# Altium PCB PCB - v3.PcbDoc (part 1 of 2) (continued)
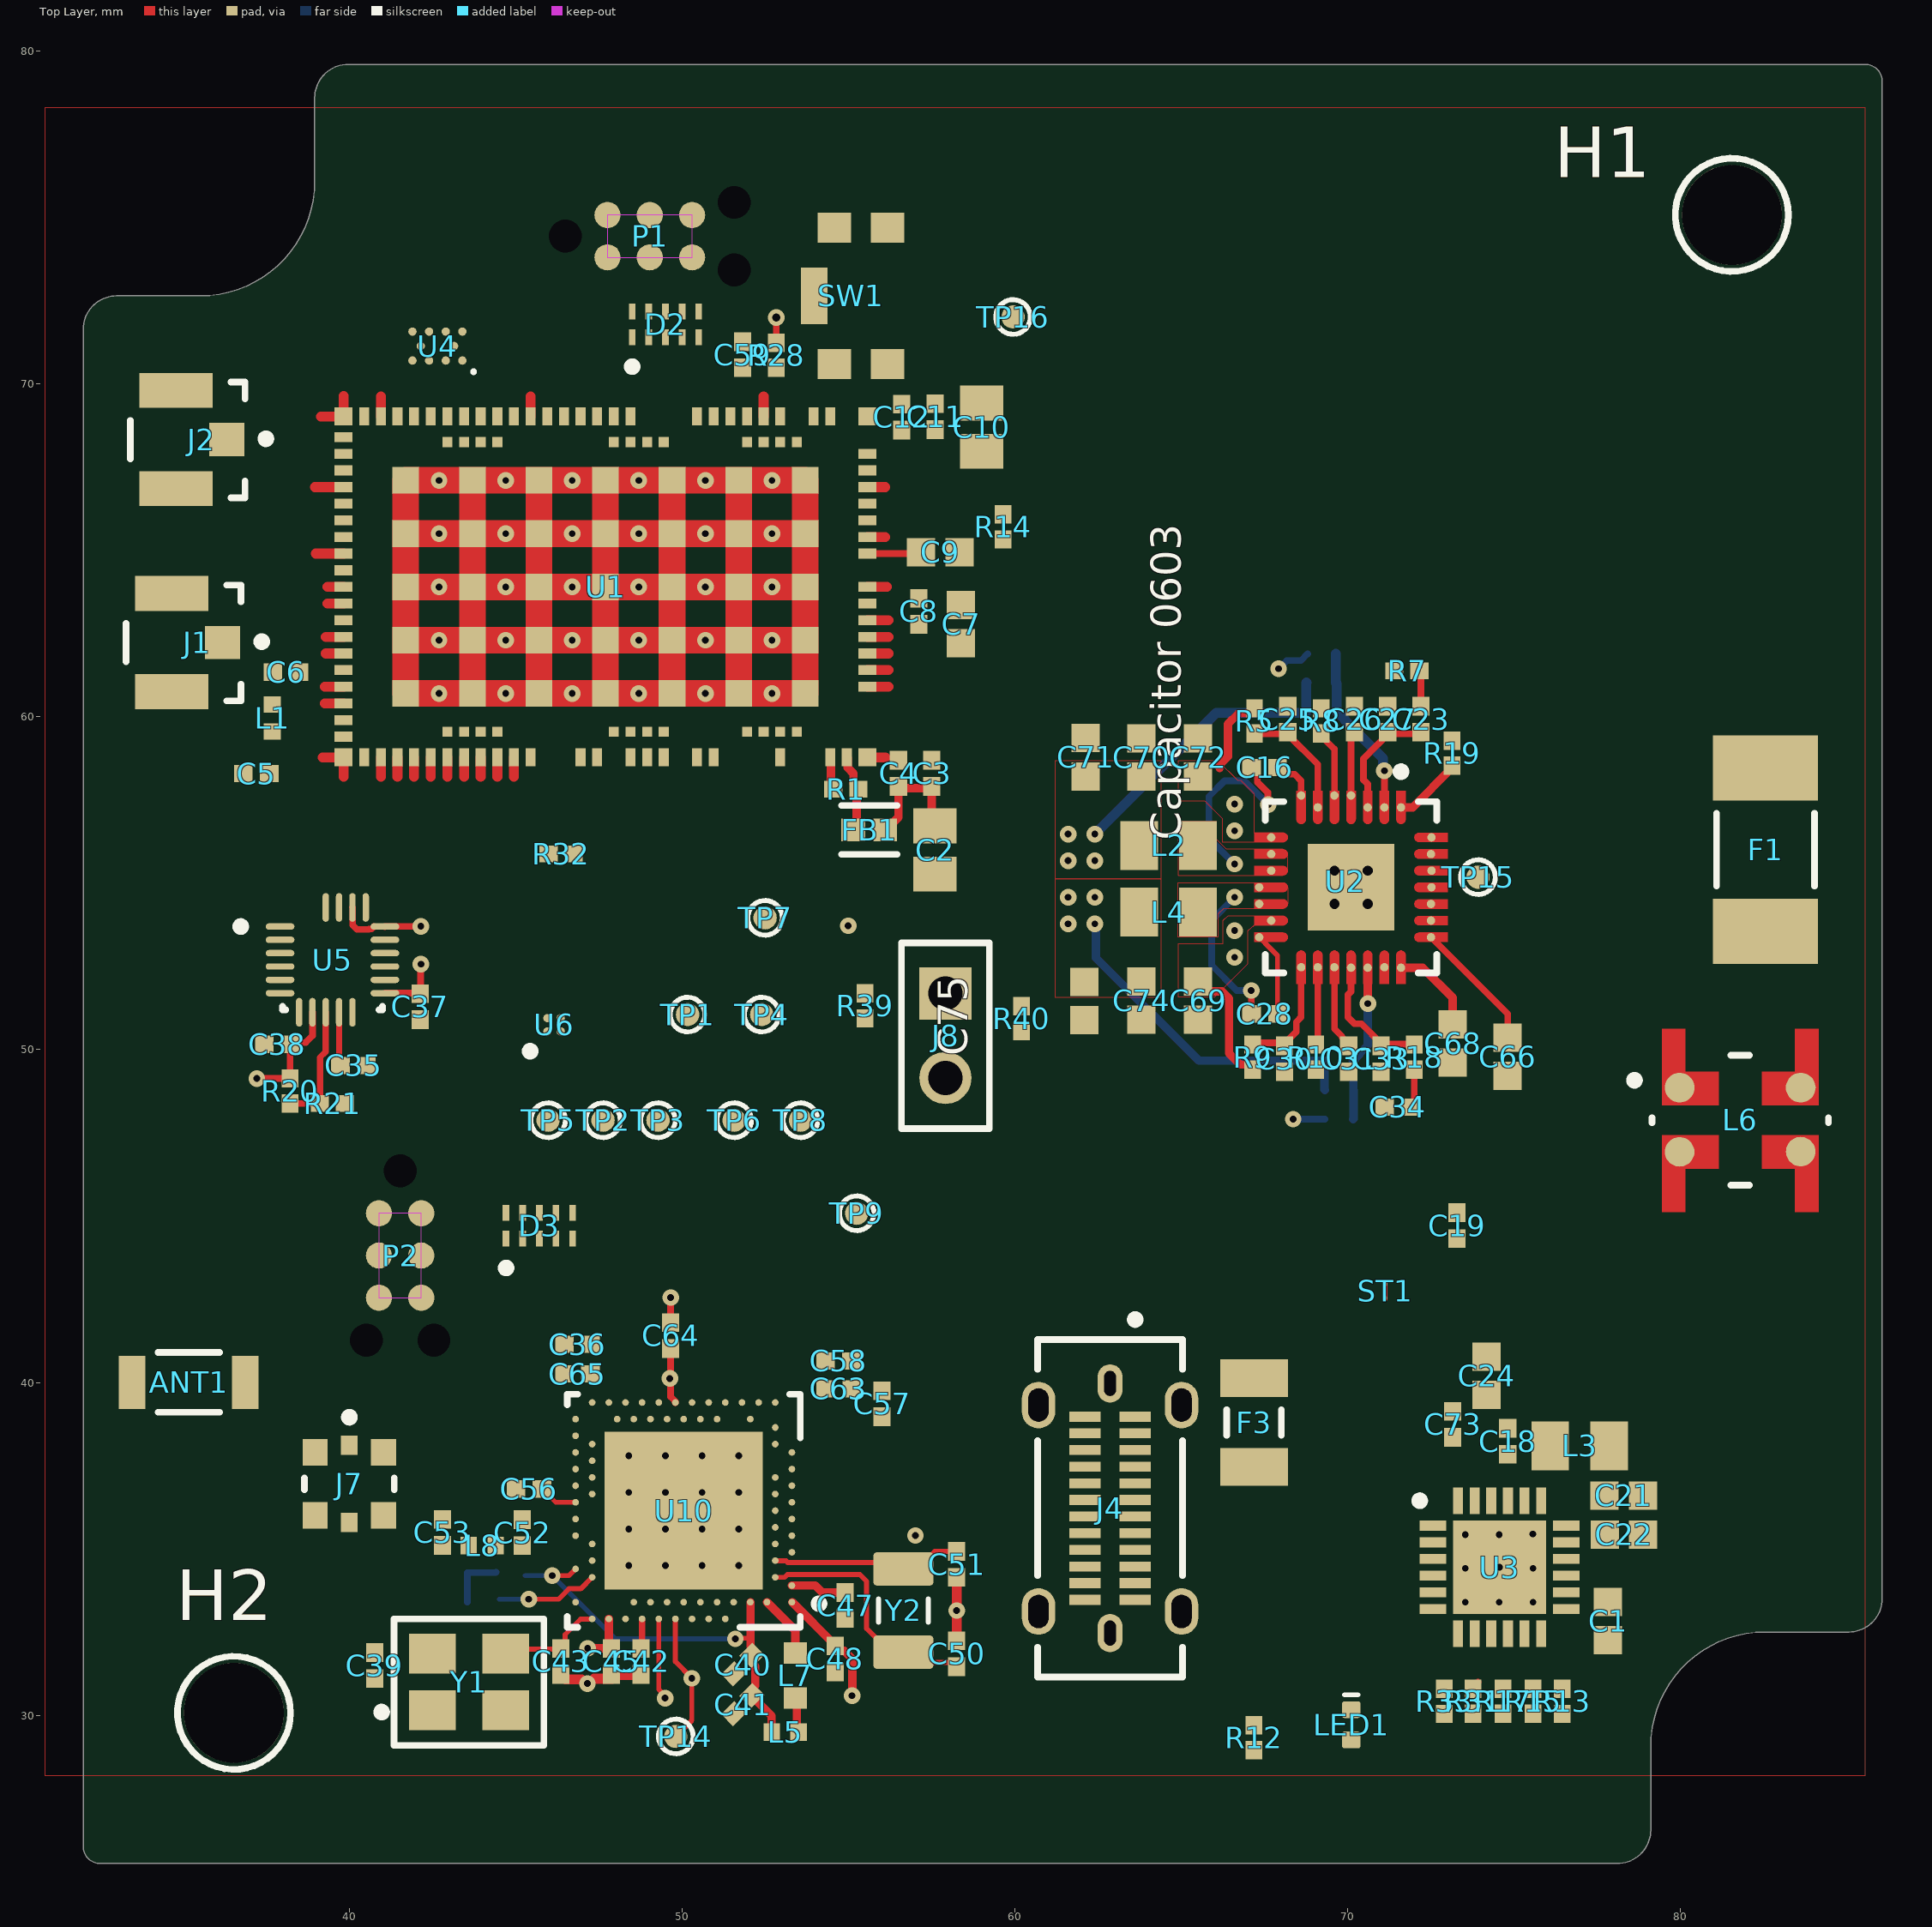
[diagram p0: Top Layer view]
## Classes and differential pairs
net class USB: D_BM_N D_BM_P D_MCU_N D_MCU_P D_N D_P
differential pair class USB: D D_BM D_DS D_MCU
net class RF: BLE_ANT GPS_RF1 GPS_RF2 LTE_RF
net class "High Power": NetF2_1 NetF2_2
component class Sensors: C14 C35 C36 C37 C38 D1 F2 J3 Q2 Q3 R20 R21 R22 R23 R24 R29 R30 U4 U5 U6
component class Power: C1 C13 C15 C16 C17 C18 C19 C21 C22 C23 C24 C25 C26 C27 C28 C29 C30 C31 C32 C33 C34 C66 C67 C68 C69 C70 C71 C72 C73 C74 C75 F1 L2 L3 L4 L6 LED1 Q1 R3 R4 R5 R6 R7 R8 R9 R10 R11 R12 R13 R14 R15 R16 R17 R18 R19 R27 R31 R33 ST1 TP14 TP15 TP16 U2 U3
component class Connectors: C20 D2 D3 F3 H1 H2 J4 J5 J6 P1 P2 R25 R26 U7 U8
component class 52840: ANT1 C39 C40 C41 C42 C43 C45 C46 C47 C48 C49 C50 C51 C52 C53 C54 C55 C56 C57 C58 C60 C63 C64 C65 J7 J9 L5 L7 L8 L9 R34 R35 R36 SW2 U10 Y1 Y2
component class 9160: C2 C3 C4 C5 C6 C7 C8 C9 C10 C11 C12 C59 FB1 J1 J2 J8 L1 R1 R2 R28 R32 R39 R40 SW1 TP1 TP2 TP3 TP4 TP5 TP6 TP7 TP8 TP9 U1
differential pair D_MCU: +D_MCU_P -D_MCU_N
differential pair D_BM: +D_BM_P -D_BM_N
differential pair D: +D_P -D_N

## Components (designator, comment, footprint, x,y, rotation, side; value= is the part's Value field where it differs from the comment)
ANT1 "AMCA31-2R450G-S1F-T3" FP-AMCA31-MFG 35.179,40.005 r180 top
C1 "Capacitor 0603" "CAPC1608X90X40LL10T20 HD" 77.817,32.831 r90 top value=?F
C2 "Capacitor 0805" "CAPC2013X95X50LL10T25 HD" 57.6,56 r90 top value=?F
C3 "Capacitor 0402" "CAPC1005X55X25LL05T10 HD" 57.5,58.3 r270 top value=?F
C4 "Capacitor 0402" "CAPC1005X55X25LL05T10 HD" 56.5,58.3 r270 top value=?F
C5 "Capacitor 0402" "CAPC1005X55X25LL05T10 HD" 37.211,58.293 r180 top value=?F
C6 "Capacitor 0402" "CAPC1005X55X25LL05T10 HD" 38.1,61.341 r0 top value=?F
C7 "Capacitor 0603" "CAPC1608X90X40LL10T20 HD" 58.381,62.784 r90 top value=?F
C8 "Capacitor 0402" "CAPC1005X55X25LL05T10 HD" 57.111,63.165 r90 top value=?F
C9 "Capacitor 0603" "CAPC1608X90X40LL10T20 HD" 57.756,64.943 r180 top value=?F
C10 "Capacitor 0805" "CAPC2013X95X50LL10T25 HD" 59,68.7 r90 top value=?F
C11 "Capacitor 0402" "CAPC1005X55X25LL05T10 HD" 57.603,69.013 r90 top value=?F
C12 "Capacitor 0402" "CAPC1005X55X25LL05T10 HD" 56.6,69 r90 top value=?F
C13 "Capacitor 0805" "CAPC2013X95X50LL10T25 HD" 82.931,39.116 r270 bottom value=?F
C14 "Capacitor 0603" "CAPC1608X90X40LL10T20 HD" 72.517,66.929 r90 bottom value=?F
C15 "Capacitor 0603" "CAPC1608X90X40LL10T20 HD" 81.915,36.643 r270 bottom value=?F
C16 "Capacitor 0402" "CAPC1005X55X25LL05T10 HD" 67.499,58.476 r180 top value=?F
C17 "Capacitor 0402" "CAPC1005X55X25LL05T10 HD" 69.199,61.025 r180 bottom value=?F
C18 "Capacitor 0402" "CAPC1005X55X25LL05T10 HD" 74.803,38.236 r90 top value=?F
C19 "Capacitor 0402" "CAPC1005X55X25LL05T10 HD" 73.279,44.713 r270 top value=?F
C20 "Capacitor 0402" "CAPC1005X55X25LL05T10 HD" 59.817,43.951 r90 bottom value=100nF
C21 "Capacitor 0603" "CAPC1608X90X40LL10T20 HD" 78.289,36.603 r0 top value=?F
C22 "Capacitor 0603" "CAPC1608X90X40LL10T20 HD" 78.292,35.433 r0 top value=?F
C23 "Capacitor 0402" "CAPC1005X55X25LL05T10 HD" 72.199,59.926 r90 top value=?F
C24 "Capacitor 0603" "CAPC1608X90X40LL10T20 HD" 74.168,40.199 r90 top value=?F
C25 "Capacitor 0402" "CAPC1005X55X25LL05T10 HD" 68.199,59.926 r270 top value=?F
C26 "Capacitor 0402" "CAPC1005X55X25LL05T10 HD" 70.199,59.926 r270 top value=?F
C27 "Capacitor 0402" "CAPC1005X55X25LL05T10 HD" 71.199,59.926 r270 top value=?F
C28 "Capacitor 0402" "CAPC1005X55X25LL05T10 HD" 67.499,51.076 r180 top value=?F
C29 "Capacitor 0402" "CAPC1005X55X25LL05T10 HD" 63.627,43.688 r180 bottom value=?F
C30 "Capacitor 0402" "CAPC1005X55X25LL05T10 HD" 68.099,49.726 r90 top value=?F
C31 "Capacitor 0402" "CAPC1005X55X25LL05T10 HD" 70.028,49.726 r90 top value=?F
C32 "Capacitor 0402" "CAPC1005X55X25LL05T10 HD" 69.753,48.786 r180 bottom value=?F
C33 "Capacitor 0402" "CAPC1005X55X25LL05T10 HD" 70.999,49.726 r90 top value=?F
C34 "Capacitor 0402" "CAPC1005X55X25LL05T10 HD" 71.499,48.276 r0 top value=?F
C35 "Capacitor 0402" "CAPC1005X55X25LL05T10 HD" 40.124,49.522 r180 top value=?F
C36 "Capacitor 0402" "CAPC1005X55X25LL05T10 HD" 46.854,41.148 r0 top value=?F
C37 "Capacitor 0402" "CAPC1005X55X25LL05T10 HD" 42.13,51.292 r90 top value=?F
C38 "Capacitor 0402" "CAPC1005X55X25LL05T10 HD" 37.838,50.157 r0 top value=?F
C39 "Capacitor 0402" "CAPC1005X55X25LL05T10 HD" 40.767,31.496 r270 top value=?F
C40 "Capacitor 0402" "CAPC1005X55X25LL05T10 HD" 51.824,31.524 r45 top value=?F
C41 "Capacitor 0402" "CAPC1005X55X25LL05T10 HD" 51.824,30.324 r45 top value=?F
C42 "Capacitor 0402" "CAPC1005X55X25LL05T10 HD" 48.768,31.623 r90 top value=?F
C43 "Capacitor 0402" "CAPC1005X55X25LL05T10 HD" 46.355,31.623 r90 top value=?F
C45 "Capacitor 0402" "CAPC1005X55X25LL05T10 HD" 47.879,31.623 r90 top value=?F
C46 "Capacitor 0402" "CAPC1005X55X25LL05T10 HD" 43.933,33.401 r0 bottom value=?F
C47 "Capacitor 0402" "CAPC1005X55X25LL05T10 HD" 54.9,33.3 r90 top value=?F
C48 "Capacitor 0402" "CAPC1005X55X25LL05T10 HD" 54.6,31.7 r90 top value=?F
C49 "Capacitor 0402" "CAPC1005X55X25LL05T10 HD" 44.8,34.3 r0 bottom value=?F
C50 "Capacitor 0402" "CAPC1005X55X25LL05T10 HD" 58.25,31.85 r270 top value=?F
C51 "Capacitor 0402" "CAPC1005X55X25LL05T10 HD" 58.25,34.54 r90 top value=?F
C52 "Capacitor 0402" "CAPC1005X55X25LL05T10 HD" 45.2,35.49 r270 top value=?F
C53 "Capacitor 0402" "CAPC1005X55X25LL05T10 HD" 42.8,35.5 r270 top value=?F
C54 "Capacitor 0402" "CAPC1005X55X25LL05T10 HD" 24.892,41.284 r270 top value=?F
C55 "Capacitor 0402" "CAPC1005X55X25LL05T10 HD" 24.511,37.719 r270 top value=?F
C56 "Capacitor 0402" "CAPC1005X55X25LL05T10 HD" 45.4,36.8 r0 top value=?F
C57 "Capacitor 0402" "CAPC1005X55X25LL05T10 HD" 56.007,39.361 r270 top value=?F
C58 "Capacitor 0402" "CAPC1005X55X25LL05T10 HD" 54.7,40.647 r180 top value=?F
C59 "Capacitor 0402" "CAPC1005X55X25LL05T10 HD" 51.816,70.875 r270 top value=?F
C60 "Capacitor 0402" "CAPC1005X55X25LL05T10 HD" 16.997,49.285 r270 top value=?F
C63 "Capacitor 0402" "CAPC1005X55X25LL05T10 HD" 54.704,39.811 r180 top value=?F
C64 "Capacitor 0402" "CAPC1005X55X25LL05T10 HD" 49.657,41.411 r270 top value=?F
C65 "Capacitor 0402" "CAPC1005X55X25LL05T10 HD" 46.854,40.259 r0 top value=?F
C66 "Capacitor 0603" "CAPC1608X90X40LL10T20 HD" 74.803,49.784 r90 top value=?F
C67 "Capacitor 0603" "CAPC1608X90X40LL10T20 HD" 84.455,38.548 r270 bottom value=?F
C68 "Capacitor 0603" "CAPC1608X90X40LL10T20 HD" 73.151,50.188 r90 top value=?F
C69 "Capacitor 0603" "CAPC1608X90X40LL10T20 HD" 65.499,51.476 r90 top value=?F
C70 "Capacitor 0603" "CAPC1608X90X40LL10T20 HD" 63.799,58.776 r270 top value=?F
C71 "Capacitor 0603" "CAPC1608X90X40LL10T20 HD" 62.128,58.784 r270 top value=?F
C72 "Capacitor 0603" "CAPC1608X90X40LL10T20 HD" 65.499,58.776 r270 top value=?F
C73 "Capacitor 0402" "CAPC1005X55X25LL05T10 HD" 73.152,38.744 r270 top value=?F
C74 "Capacitor 0603" "CAPC1608X90X40LL10T20 HD" 63.799,51.476 r90 top value=?F
C75 "Capacitor 0603" "CAPC1608X90X40LL10T20 HD" 62.085,51.462 r90 top value=?F
D1 "ASMB-BTE1-0B332 RGB LED" FP-ASMB-BTE1-0B332-MFG 119.023,80.53 r270 top
D2 "PUSB3FA0" FP-SOT1176-1-MFG 49.5,71.787 r180 top
D3 "PUSB3FA0" FP-SOT1176-1-MFG 45.712,44.71 r180 top
F1 "0451005.MRL" FP-0451-MFG 82.55,56.007 r270 top value=0.0125Ω
F2 "0451005.MRL" FP-0451-MFG 93.18,79.756 r180 top value=0.0125Ω
F3 "0468001.NR" FP-0468-MFG 67.183,38.798 r90 top value=0.079Ω
FB1 "BLM15PX121SN1D" FP-BLM15-0_05-d0_7-IPC_A 55.621,56.6 r180 top
H1 "Hole_3MM_NP" Hole_3MM_NP-Footprint-1 81.532,75.074 r0 top value=3mm,N.P
H2 "Hole_3MM_NP" Hole_3MM_NP-Footprint-1 36.532,30.074 r0 top value=3mm,N.P
J1 "U.FL-R-SMT-1(80)" FP-U_FL-R-SMT-1_80-MFG 34.671,62.23 r90 top
J2 "U.FL-R-SMT-1(80)" FP-U_FL-R-SMT-1_80-MFG 34.798,68.326 r90 top
J3 "SIM8051-6-0-14-01-A" FP-SIM8051-6-0-14-01-A-MFG 49.911,95.758 r270 bottom
J4 "204711-0001" FP-204711-0001-MFG 62.858,36.223 r270 top
J5 "B2B-PH-K-S(LF)(SN)" JST-B2B-PH-K-S_V 52.467,10.583 r180 top
J6 "2834085-2" "New footprint 1"#1 92.71,68.834 r270 top
J7 "MM8130-2600RA2" FP-MM8130-2600RA2-MFG 40.005,36.957 r0 top
J8 "M20-9990246" FP-M20-9990246-MFG 57.912,50.419 r270 top
J9 "M20-9990246" FP-M20-9990246-MFG 17.018,58.547 r90 top
L1 "Inductor 0402" INDC1005X55X25LL05T10_A 37.69,59.962 r270 top value=?H
L2 "Inductor 0805" INDC2013X105X50NL20T20 64.616,56.131 r180 top value=?H
L3 "Inductor 0805" INDC2013X105X50NL20T20 76.966,38.1 r0 top value=?H
L4 "Inductor 0805" INDC2013X105X50NL20T20 64.616,54.131 r180 top value=?H
L5 "Inductor 0402" INDC1005X55X25LL05T10_A 53.095,29.5 r180 top value=?H
L6 "DLW5ATN231TQ2L" FP-DLW5A-MFG 81.788,47.879 r90 top
L7 "Inductor 0603" FP-LQM18DN_70-MFG 53.4,31.2 r270 top value=?H
L8 "Inductor 0402" INDC1005X55X25LL05T10_A 43.995,35.1 r180 top value=?H
L9 "Inductor 0402" INDC1005X55X25LL05T10_A 24.106,37.994 r180 top value=?H
LED1 "QBLP595-R" QTB-QBLP595_V 70.104,29.718 r270 top
P1 "TC2030-IDC-NL" "New footprint 1"#2 47.76,73.8 r0 top
P2 "TC2030-IDC-NL" "New footprint 1"#2 40.894,45.085 r270 top
Q1 "DMP3007SCG-13" DMP3007SCG13 82.169,42.25 r90 bottom
Q2 "DMP3007SCG-13" DMP3007SCG13 79.05,94.488 r180 top
Q3 "2N7002CK,215" NXP-SOT23_N 70.485,96.139 r0 top
R1 "Resistor 0403" "RESC1005X40X25LL10T10 HD" 54.922,57.821 r0 top value=?R
R2 "Resistor 0403" "RESC1005X40X25LL10T10 HD" 14.224,36.068 r180 top value=?R
R3 "Resistor 0403" "RESC1005X40X25LL10T10 HD" 78.613,43.942 r0 bottom value=?R
R4 "Resistor 0403" "RESC1005X40X25LL10T10 HD" 69.214,60.119 r180 bottom value=?R
R5 "Resistor 0403" "RESC1005X40X25LL10T10 HD" 67.199,59.876 r90 top value=?R
R6 "Resistor 0403" "RESC1005X40X25LL10T10 HD" 69.219,61.89 r0 bottom value=?R
R7 "Resistor 0403" "RESC1005X40X25LL10T10 HD" 71.774,61.376 r180 top value=?R
R8 "Resistor 0403" "RESC1005X40X25LL10T10 HD" 69.199,59.876 r270 top value=?R
R9 "Resistor 0403" "RESC1005X40X25LL10T10 HD" 67.143,49.776 r270 top value=?R
R10 "Resistor 0403" "RESC1005X40X25LL10T10 HD" 69.041,49.776 r90 top value=?R
R11 "Resistor 0403" "RESC1005X40X25LL10T10 HD" 69.718,49.669 r180 bottom value=?R
R12 "Resistor 0403" "RESC1005X40X25LL10T10 HD" 67.183,29.331 r270 top value=?R
R13 "Resistor 0403" "RESC1005X40X25LL10T10 HD" 76.442,30.422 r270 top value=?R
R14 "Resistor 0403" "RESC1005X40X25LL10T10 HD" 59.648,65.701 r270 top value=?R
R15 "Resistor 0403" "RESC1005X40X25LL10T10 HD" 75.561,30.424 r90 top value=?R
R16 "Resistor 0403" "RESC1005X40X25LL10T10 HD" 69.738,47.912 r0 bottom value=?R
R17 "Resistor 0403" "RESC1005X40X25LL10T10 HD" 74.661,30.424 r90 top value=?R
R18 "Resistor 0403" "RESC1005X40X25LL10T10 HD" 71.999,49.776 r90 top value=?R
R19 "Resistor 0403" "RESC1005X40X25LL10T10 HD" 73.128,58.906 r270 top value=?R
R20 "Resistor 0403" "RESC1005X40X25LL10T10 HD" 38.219,48.76 r90 top value=?R
R21 "Resistor 0403" "RESC1005X40X25LL10T10 HD" 39.495,48.379 r180 top value=?R
R22 "Resistor 0403" "RESC1005X40X25LL10T10 HD" 115.349,79.756 r0 top value=?R
R23 "Resistor 0403" "RESC1005X40X25LL10T10 HD" 122.682,79.756 r180 top value=?R
R24 "Resistor 0403" "RESC1005X40X25LL10T10 HD" 115.349,81.153 r0 top value=?R
R25 "Resistor 0403" "RESC1005X40X25LL10T10 HD" 62.103,42.17 r90 bottom value=22
R26 "Resistor 0403" "RESC1005X40X25LL10T10 HD" 61.214,42.17 r90 bottom value=22
R27 "103AT-2" FP-103AT-2-MFG 66.167,13.081 r0 top
R28 "Resistor 0403" "RESC1005X40X25LL10T10 HD" 52.832,70.86 r90 top value=?R
R29 "Resistor 0603" RESC1608X55X25ML10T15 65.151,95.123 r270 top value=?R
R30 "Resistor 0603" RESC1608X55X25ML10T15 76.073,82.296 r0 top value=?R
R31 "Resistor 0403" "RESC1005X40X25LL10T10 HD" 73.761,30.424 r90 top value=?R
R32 "Resistor 0403" "RESC1005X40X25LL10T10 HD" 46.361,55.88 r180 top value=?R
R33 "Resistor 0403" "RESC1005X40X25LL10T10 HD" 72.903,30.42 r90 top value=?R
R34 "Resistor 0403" "RESC1005X40X25LL10T10 HD" 23.347,49.276 r90 top value=?R
R35 "Resistor 0403" "RESC1005X40X25LL10T10 HD" 19.685,62.484 r270 top value=?R
R36 "Resistor 0403" "RESC1005X40X25LL10T10 HD" 23.368,54.102 r270 top value=?R
R39 "Resistor 0403" "RESC1005X40X25LL10T10 HD" 55.499,51.314 r270 top value=?R
R40 "Resistor 0403" "RESC1005X40X25LL10T10 HD" 60.198,50.933 r90 top value=?R
ST1 "2 pin starpoint" "2 PIN STARPOINT" 71.12,42.748 r270 top net-tie value=N.A.
SW1 "MCIPTG33K-V" MCIPTG33K-V-Footprint-1 53.975,72.644 r90 top
SW2 "MCIPTG33K-V" MCIPTG33K-V-Footprint-1 20.143,48.307 r180 top
TP1 "TP_SMD_Ø0.7MM" TP_SMD_Ø0.7mm 50.165,51.054 r90 top value=Ø0.7mm,SMD
TP2 "TP_SMD_Ø0.7MM" TP_SMD_Ø0.7mm 47.625,47.879 r90 top value=Ø0.7mm,SMD
TP3 "TP_SMD_Ø0.7MM" TP_SMD_Ø0.7mm 49.276,47.879 r90 top value=Ø0.7mm,SMD
TP4 "TP_SMD_Ø0.7MM" TP_SMD_Ø0.7mm 52.393,51.054 r90 top value=Ø0.7mm,SMD
TP5 "TP_SMD_Ø0.7MM" TP_SMD_Ø0.7mm 45.974,47.879 r90 top value=Ø0.7mm,SMD
TP6 "TP_SMD_Ø0.7MM" TP_SMD_Ø0.7mm 51.562,47.879 r90 top value=Ø0.7mm,SMD
TP7 "TP_SMD_Ø0.7MM" TP_SMD_Ø0.7mm 52.494,53.959 r90 top value=Ø0.7mm,SMD
TP8 "TP_SMD_Ø0.7MM" TP_SMD_Ø0.7mm 53.556,47.879 r90 top value=Ø0.7mm,SMD
TP9 "TP_SMD_Ø0.7MM" TP_SMD_Ø0.7mm 55.245,45.085 r90 top value=Ø0.7mm,SMD
TP14 "TP_SMD_Ø0.7MM" TP_SMD_Ø0.7mm 49.812,29.369 r90 top value=Ø0.7mm,SMD
TP15 "TP_SMD_Ø0.7MM" TP_SMD_Ø0.7mm 73.914,55.182 r90 top value=Ø0.7mm,SMD
TP16 "TP_SMD_Ø0.7MM" TP_SMD_Ø0.7mm 59.944,72.009 r90 top value=Ø0.7mm,SMD
U1 "nRF9160-SICAB1A" LGA50P1600X1050X104-161N 47.7,63.9 r180 top
U2 "TPS65252RHDR" FP-RHD0028A-MFG 70.099,54.876 r270 top
U3 "BQ25890H" QFN50P400X400X80-25N-D 74.561,34.449 r0 top
U4 "CM1402-03CP" ONSC-WLCSP-10-567BL-01 42.65,71.135 r180 top
U5 "ICM-20948" FP-ICM-20948-IPC_A 39.497,52.697 r0 top
U6 "MAX31875R0TZS+T" FP-Z40C0-1-MFG 46.155,50.746 r90 top
U7 "PI3USB221EQ1ZUAEX" PI3USB221EQ1ZUAEX-Footprint-1 61.595,44.323 r270 bottom
U8 "ESD122DMYR" FP-DMY0003A-MFG 95.504,24.382 r90 top
U10 "NRF52840-QIAA-R7" NRSC-AQFN-73 50.05,36.15 r180 top
Y1 "7M-32.000MEEQ-T" FP-7M-MFG 43.6,31 r0 top
Y2 "ABS07-166-32.768KHZ-T" EPSON-FC-135_V 56.65,33.15 r90 top

## Footprints (in the part's own frame and the unit in brackets; to place one, negate y for a bottom-side part, rotate by r counter-clockwise, add the part's x,y. Pads: shape width x height; smd on the part's side, far side on the other; paste and mask are expansions set on the pad)
"2 PIN STARPOINT" [mil]
  round 5 smd paste-3 mask-3: 1(-8,0) 2(8,0)
  Top Layer region: -11,-2.96 11,-2.96 11,3.04 -11,3.04
"CAPC1005X55X25LL05T10 HD" [mm] "Chip Capacitor, 2-Leads, Body 1.05x0.55mm, IPC High Density"
  rect 0.56x0.52 smd: 1(-0.39,0) 2(0.39,0)
  body extent -0.53,-0.28 0.53,0.28, height 0.55
"CAPC1608X90X40LL10T20 HD" [mm] "Chip Capacitor, 2-Leads, Body 1.70x0.90mm, IPC High Density"
  rect 0.85x0.85 smd: 1(-0.575,0) 2(0.575,0)
  body extent -0.85,-0.45 0.85,0.45, height 0.9
"CAPC2013X95X50LL10T25 HD" [mm] "Chip Capacitor, 2-Leads, Body 2.10x1.35mm, IPC High Density"
  rect 1.05x1.3 smd: 1(-0.725,0) 2(0.725,0)
  body extent -1.05,-0.67 1.05,0.67, height 0.95
DMP3007SCG13 [mm]
  rect 0.42x0.7 smd: 1(-0.975,0) 2(-0.325,0) 3(0.325,0) 4(0.975,0)
  rect 0.42x0.47 smd: 5(0.975,2.925) 6(0.325,2.925) 7(-0.325,2.925) 8(-0.975,2.925)
  rect 2.37x1.7 smd: 9(0,1.85)
  silkscreen extent -1.65,-0.25 1.65,3.05, body extent -1.65,-0.31 1.65,3.11, height 0.95
EPSON-FC-135_V [mm] "SMD, 2-Leads, Body 3.2x1.5mm"
  rrect20% 1x1.8 smd: 1(-1.25,0) 2(1.25,0)
  silkscreen extent -0.35,-0.75 0.35,0.75, body extent -1.6,-0.75 1.6,0.75, height 0.9
FP-7M-MFG [mm]
  rect 1.4x1.2 smd paste+0 mask+0: 1(-1.1,-0.85) 2(1.1,-0.85) 3(1.1,0.85) 4(-1.1,0.85)
  silkscreen extent -2.75,-1.9 2.25,1.9, body extent -1.9,-1.55 1.9,1.55, height 0.25
FP-103AT-2-MFG [mm]
  rect 1.15x1.15 hole 0.65 paste-1000 mask+0: 1(-1.27,0)
  round 1.15 hole 0.65 paste-1000 mask+0: 2(1.27,0)
  silkscreen extent -1.85,-1.2 1.85,1.2, body extent -1.95,-1.3 1.95,1.3, height 0.25
FP-0451-MFG [mil]
  rect 77x124 smd paste+0 mask+0: 1(-96.5,0) 2(96.5,0)
  silkscreen extent -43,-58 43,58, body extent -139,-66 139,66, height 10
FP-0468-MFG [mil]
  rect 45x80 smd paste+0 mask+0: 1(-52.5,0) 2(52.5,0)
  silkscreen extent -15,-32 15,32, body extent -79,-44 79,44, height 10
FP-204711-0001-MFG [mm]
  rrect100% 1.4x1 hole 0.6 slot 1 at 0 deg paste-1000 mask+0: 1(-3.1,2.15) 2(3.1,2.15) 5(-3.1,-2.15) 6(3.1,-2.15)
  rrect100% 1.15x0.75 hole 0.35 slot 0.75 at 0 deg paste-1000 mask+0: 3(-3.75,0) 4(3.75,0)
  rect 0.3x0.95 smd paste+0 mask+0: A1(-2.75,0.755) A2(-2.25,0.755) A3(-1.75,0.755) A4(-1.25,0.755) A5(-0.75,0.755) A6(-0.25,0.755) A7(0.25,0.755) A8(0.75,0.755) A9(1.25,0.755) A10(1.75,0.755) A11(2.25,0.755) A12(2.75,0.755) B1(2.75,-0.755) B2(2.25,-0.755) B3(1.75,-0.755) B4(1.25,-0.755) B5(0.75,-0.755) B6(0.25,-0.755) B7(-0.25,-0.755) B8(-0.75,-0.755) B9(-1.25,-0.755) B10(-1.75,-0.755) B11(-2.25,-0.755) B12(-2.75,-0.755)
  silkscreen extent -5.79,-2.18 5.07,2.18, body extent -5.17,-2.75 5.17,2.75, height 0.25
FP-AMCA31-MFG [mm]
  rect 0.8x1.6 smd paste+0 mask+0: 1(-1.7,0) 2(1.7,0)
  silkscreen extent -0.92,-0.9 0.92,0.9, body extent -2.2,-1 2.2,1, height 0.25
FP-ASMB-BTE1-0B332-MFG [mm]
  rect 1.1x1.5 smd paste+0 mask+0: 1(-0.75,-1.5) 2(-0.75,1.5) 3(0.75,1.5) 4(0.75,-1.5)
  silkscreen extent -2.22,-1.72 1.5,0.38, body extent -1.6,-2.35 1.6,2.35, height 0.25
FP-BLM15-0_05-d0_7-IPC_A [mm]
  rect 0.715x0.672 smd paste+0 mask+0: 1(-0.479,0) 2(0.479,0)
  silkscreen extent -0.84,-0.74 0.84,0.74, body extent -1.04,-0.54 1.04,0.54, height 0.25
FP-DLW5A-MFG [mm]
  round 0.897 smd paste+0 mask+0: 1(0.981,1.819) 4(0.981,-1.819)
  round 0.889 smd paste+0 mask+0: 2(-0.95,1.819) 3(-0.944,-1.819)
  Top Layer region: -2.75,2.35 -0.45,2.35 -0.45,0.65 -1.45,0.65 -1.45,1.65 -2.75,1.65 -2.75,2.35
  Top Layer region: 2.75,2.35 0.45,2.35 0.45,0.65 1.45,0.65 1.45,1.65 2.75,1.65 2.75,2.35
  Top Layer region: -2.75,-2.35 -0.45,-2.35 -0.45,-0.65 -1.45,-0.65 -1.45,-1.65 -2.75,-1.65 -2.75,-2.35
  Top Layer region: 2.75,-2.35 0.45,-2.35 0.45,-0.65 1.45,-0.65 1.45,-1.65 2.75,-1.65 2.75,-2.35
  silkscreen extent -1.95,-2.65 1.95,3.3, body extent -2.85,-2.75 2.85,2.75, height 0.25
FP-DMY0003A-MFG [mm]
  rrect50% 0.2x0.2 smd paste-1000 mask-1000: 1(-0.125,0) 2(0.125,-0.5) 3(0.125,0.5)
  silkscreen extent -1.17,-0.95 0.6,0.95, body extent -0.45,-0.8 0.45,0.8, height 0.25
FP-ICM-20948-IPC_A [mm]
  oval 0.861x0.192 smd paste+0 mask+0: 1(-1.575,1)
  rrect100% 0.861x0.192 smd paste+0 mask+0: 2(-1.575,0.6) 3(-1.575,0.2) 4(-1.575,-0.2) 5(-1.575,-0.6) 6(-1.575,-1) 13(1.575,-1) 14(1.575,-0.6) 15(1.575,-0.2) 16(1.575,0.2) 17(1.575,0.6) 18(1.575,1)
  rrect100% 0.192x0.861 smd paste+0 mask+0: 7(-1,-1.575) 8(-0.6,-1.575) 9(-0.2,-1.575) 10(0.2,-1.575) 11(0.6,-1.575) 19(1,1.575) 20(0.6,1.575) 21(0.2,1.575) 22(-0.2,1.575)
  silkscreen extent -2.88,-1.5 1.5,1.12, body extent -2.46,-2.46 2.46,2.46, height 0.25
FP-LQM18DN_70-MFG [mm]
  rect 0.65x0.7 smd paste+0 mask+0: 1(-0.675,0) 2(0.675,0)
  body extent -1.1,-0.58 1.1,0.58, height 0.25
FP-M20-9990246-MFG [mm]
  rect 1.57x1.57 hole 1.02 paste-1000 mask+0: 1(-1.27,0)
  round 1.57 hole 1.02 paste-1000 mask+0: 2(1.27,0)
  silkscreen extent -2.79,-1.32 2.79,1.32, body extent -2.89,-1.42 2.89,1.42, height 0.25
FP-MM8130-2600RA2-MFG [mm]
  rect 0.5x0.58 smd paste-1000 mask+0: 1(0,1.16) 2(0,-1.16)
  rect 0.75x0.8 smd paste-1000 mask+0: 3(-1.025,0.95) 4(1.025,0.95) 5(-1.025,-0.95) 6(1.025,-0.95)
  silkscreen extent -1.35,-0.18 1.35,2.12, body extent -1.5,-1.55 1.5,1.55, height 0.25
FP-RHD0028A-MFG [mm]
  round 0.252 smd paste-1000 mask+0: 1(-2.4,1.5) 2(-2.4,1) 3(-2.4,0.5) 4(-2.76,0) 5(-2.76,-0.5) 6(-2.4,-1) 7(-2.76,-1.5) 8(-1.5,-2.4) 9(-1,-2.4) 10(-0.5,-2.4) 11(0,-2.76) 12(0.5,-2.76) 13(1,-2.4) 14(1.5,-2.76) 15(2.4,-1.5) 16(2.4,-1) 17(2.4,-0.5) 18(2.415,0) 19(2.415,0.5) 20(2.4,1) 21(2.415,1.5) 22(1.5,2.4) 23(1,2.4) 24(0.5,2.4) 25(0,2.415) 26(-0.5,2.415) 27(-1,2.4) 28(-1.5,2.415)
  rect 2.6x2.6 smd paste-1000 mask+0: 29(0,0)
  Top Layer region: -2.9,1.64 -2.04,1.64 -1.986,1.629 -1.941,1.599 -1.911,1.554 -1.9,1.5 -1.9,1.5 -1.911,1.446 -1.941,1.401 -1.986,1.371 -2.04,1.36 -2.04,1.36 -2.9,1.36
  Top Layer region: -2.9,1.14 -2.04,1.14 -1.986,1.129 -1.941,1.099 -1.911,1.054 -1.9,1 -1.9,1 -1.911,0.946 -1.941,0.901 -1.986,0.871 -2.04,0.86 -2.04,0.86 -2.9,0.86
  Top Layer region: -2.9,0.64 -2.04,0.64 -1.986,0.629 -1.941,0.599 -1.911,0.554 -1.9,0.5 -1.9,0.5 -1.911,0.446 -1.941,0.401 -1.986,0.371 -2.04,0.36 -2.04,0.36 -2.9,0.36
  Top Layer region: -2.9,0.14 -2.04,0.14 -1.986,0.129 -1.941,0.099 -1.911,0.054 -1.9,0 -1.9,0 -1.911,-0.054 -1.941,-0.099 -1.986,-0.129 -2.04,-0.14 -2.04,-0.14 -2.9,-0.14
  Top Layer region: -2.9,-0.36 -2.04,-0.36 -1.986,-0.371 -1.941,-0.401 -1.911,-0.446 -1.9,-0.5 -1.9,-0.5 -1.911,-0.554 -1.941,-0.599 -1.986,-0.629 -2.04,-0.64 -2.04,-0.64 -2.9,-0.64
  Top Layer region: -2.9,-0.86 -2.04,-0.86 -1.986,-0.871 -1.941,-0.901 -1.911,-0.946 -1.9,-1 -1.9,-1 -1.911,-1.054 -1.941,-1.099 -1.986,-1.129 -2.04,-1.14 -2.04,-1.14 -2.9,-1.14
  Top Layer region: -2.9,-1.36 -2.04,-1.36 -1.986,-1.371 -1.941,-1.401 -1.911,-1.446 -1.9,-1.5 -1.9,-1.5 -1.911,-1.554 -1.941,-1.599 -1.986,-1.629 -2.04,-1.64 -2.04,-1.64 -2.9,-1.64
  Top Layer region: 2.9,-1.64 2.04,-1.64 1.986,-1.629 1.941,-1.599 1.911,-1.554 1.9,-1.5 1.9,-1.5 1.911,-1.446 1.941,-1.401 1.986,-1.371 2.04,-1.36 2.04,-1.36 2.9,-1.36
  Top Layer region: 2.9,-1.14 2.04,-1.14 1.986,-1.129 1.941,-1.099 1.911,-1.054 1.9,-1 1.9,-1 1.911,-0.946 1.941,-0.901 1.986,-0.871 2.04,-0.86 2.04,-0.86 2.9,-0.86
  Top Layer region: 2.9,-0.64 2.04,-0.64 1.986,-0.629 1.941,-0.599 1.911,-0.554 1.9,-0.5 1.9,-0.5 1.911,-0.446 1.941,-0.401 1.986,-0.371 2.04,-0.36 2.04,-0.36 2.9,-0.36
  Top Layer region: 2.9,-0.14 2.04,-0.14 1.986,-0.129 1.941,-0.099 1.911,-0.054 1.9,0 1.9,0 1.911,0.054 1.941,0.099 1.986,0.129 2.04,0.14 2.04,0.14 2.9,0.14
  Top Layer region: 2.9,0.36 2.04,0.36 1.986,0.371 1.941,0.401 1.911,0.446 1.9,0.5 1.9,0.5 1.911,0.554 1.941,0.599 1.986,0.629 2.04,0.64 2.04,0.64 2.9,0.64
  Top Layer region: 2.9,0.86 2.04,0.86 1.986,0.871 1.941,0.901 1.911,0.946 1.9,1 1.9,1 1.911,1.054 1.941,1.099 1.986,1.129 2.04,1.14 2.04,1.14 2.9,1.14
  Top Layer region: 2.9,1.36 2.04,1.36 1.986,1.371 1.941,1.401 1.911,1.446 1.9,1.5 1.9,1.5 1.911,1.554 1.941,1.599 1.986,1.629 2.04,1.64 2.04,1.64 2.9,1.64
  Top Layer region: -1.64,-2.9 -1.64,-2.04 -1.629,-1.986 -1.599,-1.941 -1.554,-1.911 -1.5,-1.9 -1.5,-1.9 -1.446,-1.911 -1.401,-1.941 -1.371,-1.986 -1.36,-2.04 -1.36,-2.04 -1.36,-2.9
  Top Layer region: -1.14,-2.9 -1.14,-2.04 -1.129,-1.986 -1.099,-1.941 -1.054,-1.911 -1,-1.9 -1,-1.9 -0.946,-1.911 -0.901,-1.941 -0.871,-1.986 -0.86,-2.04 -0.86,-2.04 -0.86,-2.9
  Top Layer region: -0.64,-2.9 -0.64,-2.04 -0.629,-1.986 -0.599,-1.941 -0.554,-1.911 -0.5,-1.9 -0.5,-1.9 -0.446,-1.911 -0.401,-1.941 -0.371,-1.986 -0.36,-2.04 -0.36,-2.04 -0.36,-2.9
  Top Layer region: -0.14,-2.9 -0.14,-2.04 -0.129,-1.986 -0.099,-1.941 -0.054,-1.911 0,-1.9 0,-1.9 0.054,-1.911 0.099,-1.941 0.129,-1.986 0.14,-2.04 0.14,-2.04 0.14,-2.9
  Top Layer region: 0.36,-2.9 0.36,-2.04 0.371,-1.986 0.401,-1.941 0.446,-1.911 0.5,-1.9 0.5,-1.9 0.554,-1.911 0.599,-1.941 0.629,-1.986 0.64,-2.04 0.64,-2.04 0.64,-2.9
  Top Layer region: 0.86,-2.9 0.86,-2.04 0.871,-1.986 0.901,-1.941 0.946,-1.911 1,-1.9 1,-1.9 1.054,-1.911 1.099,-1.941 1.129,-1.986 1.14,-2.04 1.14,-2.04 1.14,-2.9
  Top Layer region: 1.36,-2.9 1.36,-2.04 1.371,-1.986 1.401,-1.941 1.446,-1.911 1.5,-1.9 1.5,-1.9 1.554,-1.911 1.599,-1.941 1.629,-1.986 1.64,-2.04 1.64,-2.04 1.64,-2.9
  Top Layer region: 1.64,2.9 1.64,2.04 1.629,1.986 1.599,1.941 1.554,1.911 1.5,1.9 1.5,1.9 1.446,1.911 1.401,1.941 1.371,1.986 1.36,2.04 1.36,2.04 1.36,2.9
  Top Layer region: 1.14,2.9 1.14,2.04 1.129,1.986 1.099,1.941 1.054,1.911 1,1.9 1,1.9 0.946,1.911 0.901,1.941 0.871,1.986 0.86,2.04 0.86,2.04 0.86,2.9
  Top Layer region: 0.64,2.9 0.64,2.04 0.629,1.986 0.599,1.941 0.554,1.911 0.5,1.9 0.5,1.9 0.446,1.911 0.401,1.941 0.371,1.986 0.36,2.04 0.36,2.04 0.36,2.9
  Top Layer region: 0.14,2.9 0.14,2.04 0.129,1.986 0.099,1.941 0.054,1.911 0,1.9 0,1.9 -0.054,1.911 -0.099,1.941 -0.129,1.986 -0.14,2.04 -0.14,2.04 -0.14,2.9
  Top Layer region: -0.36,2.9 -0.36,2.04 -0.371,1.986 -0.401,1.941 -0.446,1.911 -0.5,1.9 -0.5,1.9 -0.554,1.911 -0.599,1.941 -0.629,1.986 -0.64,2.04 -0.64,2.04 -0.64,2.9
  Top Layer region: -0.86,2.9 -0.86,2.04 -0.871,1.986 -0.901,1.941 -0.946,1.911 -1,1.9 -1,1.9 -1.054,1.911 -1.099,1.941 -1.129,1.986 -1.14,2.04 -1.14,2.04 -1.14,2.9
  Top Layer region: -1.36,2.9 -1.36,2.04 -1.371,1.986 -1.401,1.941 -1.446,1.911 -1.5,1.9 -1.5,1.9 -1.554,1.911 -1.599,1.941 -1.629,1.986 -1.64,2.04 -1.64,2.04 -1.64,2.9
  silkscreen extent -3.6,-2.58 2.58,2.58, body extent -3,-3 3,3, height 0.25
FP-SIM8051-6-0-14-01-A-MFG [mm]
  round 1.2 hole 0.7 paste-1000 mask+0: 1(4.5,4.15)
  round 1.4 hole 0.9 paste-1000 mask+0: 4(-4.5,-4.15)
  rect 1x1.1 smd paste+0 mask+0: C1(2.54,-5.9) C2(0,-5.9) C3(-2.54,-5.9) C5(2.54,5.9) C6(0,5.9) C7(-2.54,5.9)
  rect 1x3 smd paste+0 mask+0: C4(5.3,0) C8(-5.3,0)
  Top Layer keep-out region: -0.6,4.65 0.6,4.65 0.6,3.65 -0.6,3.65
  Top Layer keep-out region: 1.94,4.65 3.14,4.65 3.14,3.65 1.94,3.65
  Top Layer keep-out region: 1.94,-2.95 3.14,-2.95 3.14,-3.95 1.94,-3.95
  Top Layer keep-out region: -0.6,-2.95 0.6,-2.95 0.6,-3.95 -0.6,-3.95
  Top Layer keep-out region: -3.14,-2.95 -1.94,-2.95 -1.94,-3.95 -3.14,-3.95
  Top Layer keep-out region: -3.14,4.65 -1.94,4.65 -1.94,3.65 -3.14,3.65
  Top Layer keep-out region: -3.575,2.15 3.575,2.15 3.575,-2.7 -3.575,-2.7
  silkscreen extent -4.84,-7.45 4.84,6.17, body extent -5.42,-6.1 5.42,6.1, height 1.35
FP-SOT1176-1-MFG [mm]
  rect 0.2x0.475 smd paste+0 mask-1000: 1(1,0.387) 2(0.5,0.387) 3(0,0.387) 4(-0.5,0.387) 5(-1,0.387) 6(-1,-0.387) 7(-0.5,-0.387) 8(0,-0.387) 9(0.5,-0.387) 10(1,-0.387)
  silkscreen extent 0.87,1.15 1.12,1.39, body extent -1.4,-0.77 1.4,0.77, height 0.25
FP-U_FL-R-SMT-1_80-MFG [mm]
  rect 1x1.05 smd paste-1000 mask+0: 1(0,-1.525)
  rect 1.05x2.2 smd paste-1000 mask+0: 2(-1.475,0) 3(1.475,0)
  silkscreen extent -1.75,-2.83 1.73,1.38, body extent -2.1,-2.15 2.1,1.73, height 0.25
FP-Z40C0-1-MFG [mm]
  round 0.25 smd paste+0 mask+0: A1(-0.2,0.2) A2(0.2,0.2) B1(-0.2,-0.2) B2(0.2,-0.2)
  silkscreen extent -0.92,0.6 -0.67,0.84, body extent -0.93,-0.93 0.93,0.93, height 0.25
Hole_3MM_NP-Footprint-1 [mm]
  round 3 hole 3 unplated paste+0 mask+0: ""(0.005,0.002)
  silkscreen extent -1.69,-1.7 1.71,1.7
INDC1005X55X25LL05T10_A [mm] "Chip Inductor, 2-Leads, Body 1.05x0.55mm, IPC High Density"
  rect 0.49x0.52 smd: 1(-0.405,0) 2(0.405,0)
  body extent -0.52,-0.28 0.53,0.28, height 0.55
INDC2013X105X50NL20T20 [mm] "Chip Inductor, 2-Leads, Body 2.2x1.45mm, IPC Medium Density"
  rect 1.13x1.47 smd: 1(-0.885,0) 2(0.885,0)
  body extent -1.1,-0.72 1.1,0.72, height 1.05
JST-B2B-PH-K-S_V [mm] "Connector, 2-Leads, Body 5.9x4.5mm, Pitch 2mm"
  rect 1.5x1.5 hole 1: 1(-1,0.55)
  round 1.5 hole 1: 2(1,0.55)
  silkscreen extent -2.95,-2.25 2.95,2.25, body extent -2.95,-2.25 2.95,2.25, height 6
LGA50P1600X1050X104-161N [mm]
  rect 0.54x0.54 smd mask+0.05: 1(-7.87,5.12) 21(-7.87,-5.12) 52(7.87,-5.12) 72(7.87,5.12)
  rect 0.54x0.3 smd mask+0.05: 5(-7.87,3) 6(-7.87,2.5) 7(-7.87,2) 8(-7.87,1.5) 9(-7.87,1) 10(-7.87,0.5) 11(-7.87,0) 13(-7.87,-1) 14(-7.87,-1.5) 15(-7.87,-2) 16(-7.87,-2.5) 17(-7.87,-3) 18(-7.87,-3.5) 19(-7.87,-4) 53(7.87,-4.5) 54(7.87,-4) 55(7.87,-3.5) 56(7.87,-3) 57(7.87,-2.5) 58(7.87,-2) 59(7.87,-1.5) 60(7.87,-1) 61(7.87,-0.5) 62(7.87,0) 63(7.87,0.5) 64(7.87,1) 65(7.87,1.5) 66(7.87,2) 67(7.87,2.5) 68(7.87,3) 69(7.87,3.5) 70(7.87,4) 71(7.87,4.5)
  rect 0.3x0.54 smd mask+0.05: 23(-6.75,-5.12) 24(-6.25,-5.12) 26(-5.25,-5.12) 27(-4.75,-5.12) 28(-4.25,-5.12) 29(-3.75,-5.12) 30(-3.25,-5.12) 31(-2.75,-5.12) 35(-0.75,-5.12) 36(-0.25,-5.12) 37(0.25,-5.12) 38(0.75,-5.12) 39(1.25,-5.12) 40(1.75,-5.12) 41(2.25,-5.12) 42(2.75,-5.12) 43(3.25,-5.12) 44(3.75,-5.12) 45(4.25,-5.12) 46(4.75,-5.12) 47(5.25,-5.12) 48(5.75,-5.12) 49(6.25,-5.12) 50(6.75,-5.12) 51(7.25,-5.12) 73(7.25,5.12) 74(6.75,5.12) 75(6.25,5.12) 76(5.75,5.12) 77(5.25,5.12) 78(4.75,5.12) 79(4.25,5.12) 80(3.75,5.12) 81(3.25,5.12) 82(2.75,5.12) 83(2.25,5.12) 86(0.75,5.12) 87(0.25,5.12) 89(-0.75,5.12) 90(-1.25,5.12) 91(-1.75,5.12) 93(-2.75,5.12) 94(-3.25,5.12) 98(-5.25,5.12) 101(-6.75,5.12) 102(-7.25,5.12)
  rect 0.8x0.8 smd mask+0.05: 103(-6,3.2) 103(-6,-1.6) 103(-6,0) 103(-6,1.6) 103(-6,-3.2) 103(-4,3.2) 103(-4,-1.6) 103(-4,0) 103(-4,1.6) 103(-4,-3.2) 103(-2,1.6) 103(-2,3.2) 103(-2,0) 103(-2,-3.2) 103(-2,-1.6) 103(0,3.2) 103(0,1.6) 103(0,0) 103(0,-1.6) 103(0,-3.2) 103(2,1.6) 103(2,3.2) 103(2,0) 103(2,-3.2) 103(2,-1.6) 103(4,3.2) 103(4,-1.6) 103(4,0) 103(4,1.6) 103(4,-3.2) 103(6,3.2) 103(6,-1.6) 103(6,0) 103(6,1.6) 103(6,-3.2)
  rect 0.3x0.3 smd mask+0.05: 104(-5.75,-4.35) 105(-5.25,-4.35) 106(-4.75,-4.35) 107(-4.25,-4.35) 108(-1.75,-4.35) 109(-1.25,-4.35) 110(-0.75,-4.35) 111(-0.25,-4.35) 112(3.25,-4.35) 113(3.75,-4.35) 114(4.25,-4.35) 115(4.75,-4.35) 116(4.75,4.35) 117(4.25,4.35) 118(3.75,4.35) 119(3.25,4.35) 120(-0.25,4.35) 121(-0.75,4.35) 122(-1.25,4.35) 123(-1.75,4.35) 124(-4.25,4.35) 125(-4.75,4.35) 126(-5.25,4.35) 127(-5.75,4.35)
  Top Layer pour cut-out: -8.15,5.4 8.15,5.4 8.15,-5.4 -8.15,-5.4
  body extent -8.05,-5.3 8.05,5.3, height 1.2
MCIPTG33K-V-Footprint-1 [mm]
  rect 0.9x1 smd paste-1000 mask+0: 1(-2.05,-0.6) 2(-2.05,-2.2) 3(2.05,-0.6) 4(2.05,-2.2)
  rect 1.7x0.8 smd paste-1000 mask+0: 5(0,0)
  body extent -2.5,-2.5 2.5,-0.3, height 1.9
"New footprint 1"#1 [mm]
  oval 2x2.5 hole 1.3 mask+0.15: 1(0,5) 1(0,0) 2(2.54,5) 2(2.54,0) 3(5.08,5) 3(5.08,0)
  silkscreen extent -2.7,-2.6 7.06,7.6, body extent -2.73,-4.51 6.99,7.59, height 12.09
"New footprint 1"#2 [mm]
  round 0.787 smd paste-1000 mask+0: 1(0,0) 2(0,1.27) 3(1.27,0) 4(1.27,1.27) 5(2.54,0) 6(2.54,1.27)
  round 0 hole 0.991 unplated paste-1000 mask+0: ""(-1.27,0.635) ""(3.81,-0.381) ""(3.81,1.651)
  Keep-Out Layer region: 0,0 2.54,0 2.54,1.27 0,1.27
NRSC-AQFN-73 [mm] "AQFN, 73-Leads, Body 7x7mm, Pitch 0.5mm"
  rect 4.75x4.75 smd: 74(0,0)
  round 0.2 smd: A8(-1.25,3.25) A10(-0.75,3.25) A12(-0.25,3.25) A14(0.25,3.25) A16(0.75,3.25) A18(1.25,3.25) A20(1.75,3.25) A22(2.25,3.25) A23(2.75,3.25) AA24(3.25,-2.25) AB2(-2.75,-2.5) AC5(-2,-2.75) AC9(-1,-2.75) AC11(-0.5,-2.75) AC13(0,-2.75) AC15(0.5,-2.75) AC17(1,-2.75) AC19(1.5,-2.75) AC21(2,-2.75) AC24(3.25,-2.75) AD2(-2.75,-3.25) AD4(-2.25,-3.25) AD6(-1.75,-3.25) AD8(-1.25,-3.25) AD10(-0.75,-3.25) AD12(-0.25,-3.25) AD14(0.25,-3.25) AD16(0.75,-3.25) AD18(1.25,-3.25) AD20(1.75,-3.25) AD22(2.25,-3.25) AD23(2.75,-3.25) B1(-3.25,2.75) B3(-2.5,2.75) B5(-2,2.75) B7(-1.5,2.75) B9(-1,2.75) B11(-0.5,2.75) B13(0,2.75) B15(0.5,2.75) B17(1,2.75) B19(1.5,2.75) B24(3.25,2.75) C1(-3.25,2.25) D2(-2.75,2) D23(2.75,2) E24(3.25,1.75) F2(-2.75,1.5) F23(2.75,1.5) G1(-3.25,1.25) H2(-2.75,1) H23(2.75,1) J1(-3.25,0.75) J24(3.25,0.75) K2(-2.75,0.5) L1(-3.25,0.25) L24(3.25,0.25) M2(-2.75,0) N1(-3.25,-0.25) N24(3.25,-0.25) P2(-2.75,-0.5) P23(2.75,-0.5) R1(-3.25,-0.75) R24(3.25,-0.75) T2(-2.75,-1) T23(2.75,-1) U1(-3.25,-1.25) U24(3.25,-1.25) V23(2.75,-1.5) W1(-3.25,-1.75) W24(3.25,-1.75) Y2(-2.75,-2) Y23(2.75,-2)
  silkscreen extent -4.19,-3.5 3.5,3.5, body extent -3.5,-3.5 3.5,3.5, height 0.85
NXP-SOT23_N [mm] "SOT23, 3-Leads, Body 3x1.4mm, Pitch 0.95mm, IPC Medium Density"
  rect 1.4x0.6 smd: 1(-0.95,0.95) 2(-0.95,-0.95) 3(0.95,0)
  silkscreen extent -1.07,-1.5 0.7,1.92, body extent -0.7,-1.5 0.7,1.5, height 1.1
ONSC-WLCSP-10-567BL-01 [mm] "BGA, 10-Balls, Body 1.96x1.33mm"
  round 0.25 smd: A1(-0.75,0.435) A2(-0.25,0.435) A3(0.25,0.435) A4(0.75,0.435) B1(-0.5,0) B2(0.5,0) C1(-0.75,-0.435) C2(-0.25,-0.435) C3(0.25,-0.435) C4(0.75,-0.435)
  silkscreen extent -1.14,0.72 -1.04,0.82, body extent -0.98,-0.66 0.98,0.66, height 0.72
PI3USB221EQ1ZUAEX-Footprint-1 [mm]
  rect 0.53x0.3 smd paste-1000 mask+0.06: 1(-0.64,0.75) 4(-0.64,-0.75) 6(0.64,-0.75) 9(0.64,0.75)
  rect 0.53x0.25 smd paste-1000 mask+0.06: 2(-0.64,0.25) 3(-0.64,-0.25) 7(0.64,-0.25) 8(0.64,0.25)
  rect 0.35x0.63 smd paste-1000 mask+0.06: 5(0,-0.84) 10(0,0.84)
  silkscreen extent -1.25,-1.1 1.2,1.2, body extent -0.75,-1 0.75,1, height 0.48
QFN50P400X400X80-25N-D [mm]
  rect 0.8x0.3 smd: 1(-2,1.25) 2(-2,0.75) 3(-2,0.25) 4(-2,-0.25) 5(-2,-0.75) 6(-2,-1.25) 13(2,-1.25) 14(2,-0.75) 15(2,-0.25) 16(2,0.25) 17(2,0.75) 18(2,1.25)
  rect 0.3x0.8 smd: 7(-1.25,-2) 8(-0.75,-2) 9(-0.25,-2) 10(0.25,-2) 11(0.75,-2) 12(1.25,-2) 19(1.25,2) 20(0.75,2) 21(0.25,2) 22(-0.25,2) 23(-0.75,2) 24(-1.25,2)
  rect 2.8x2.8 smd: 25(0,0)
  silkscreen extent -2.52,1.88 -2.27,2.12, body extent -2.05,-2.05 2.05,2.05, height 0.8
QTB-QBLP595_V [mm] "SMD, 2-Leads, Body 1x0.5mm"
  rrect25% 0.5x0.55 smd: 1(-0.455,0) 2(0.455,0)
  silkscreen extent -0.9,-0.2 -0.9,0.2, body extent -0.5,-0.25 0.5,0.25, height 0.5
"RESC1005X40X25LL10T10 HD" [mm] "Chip Resistor, 2-Leads, Body 1.1x0.6mm, IPC High Density"
  rect 0.55x0.5 smd: 1(-0.375,0) 2(0.375,0)
  body extent -0.55,-0.27 0.55,0.28, height 0.4
RESC1608X55X25ML10T15 [mm] "Chip Resistor, 2-Leads, Body 1.70x0.90mm, IPC Low Density"
  rect 0.8x1 smd: 1(-0.75,0) 2(0.75,0)
  body extent -0.85,-0.45 0.85,0.45, height 0.55
TP_SMD_Ø0.7mm [mm]
  round 0.7 smd paste-5: 1(0,0)
  silkscreen extent -0.52,-0.52 0.52,0.52